# Altium PCB m2m v00.PcbDoc (part 2 of 2) (continued)
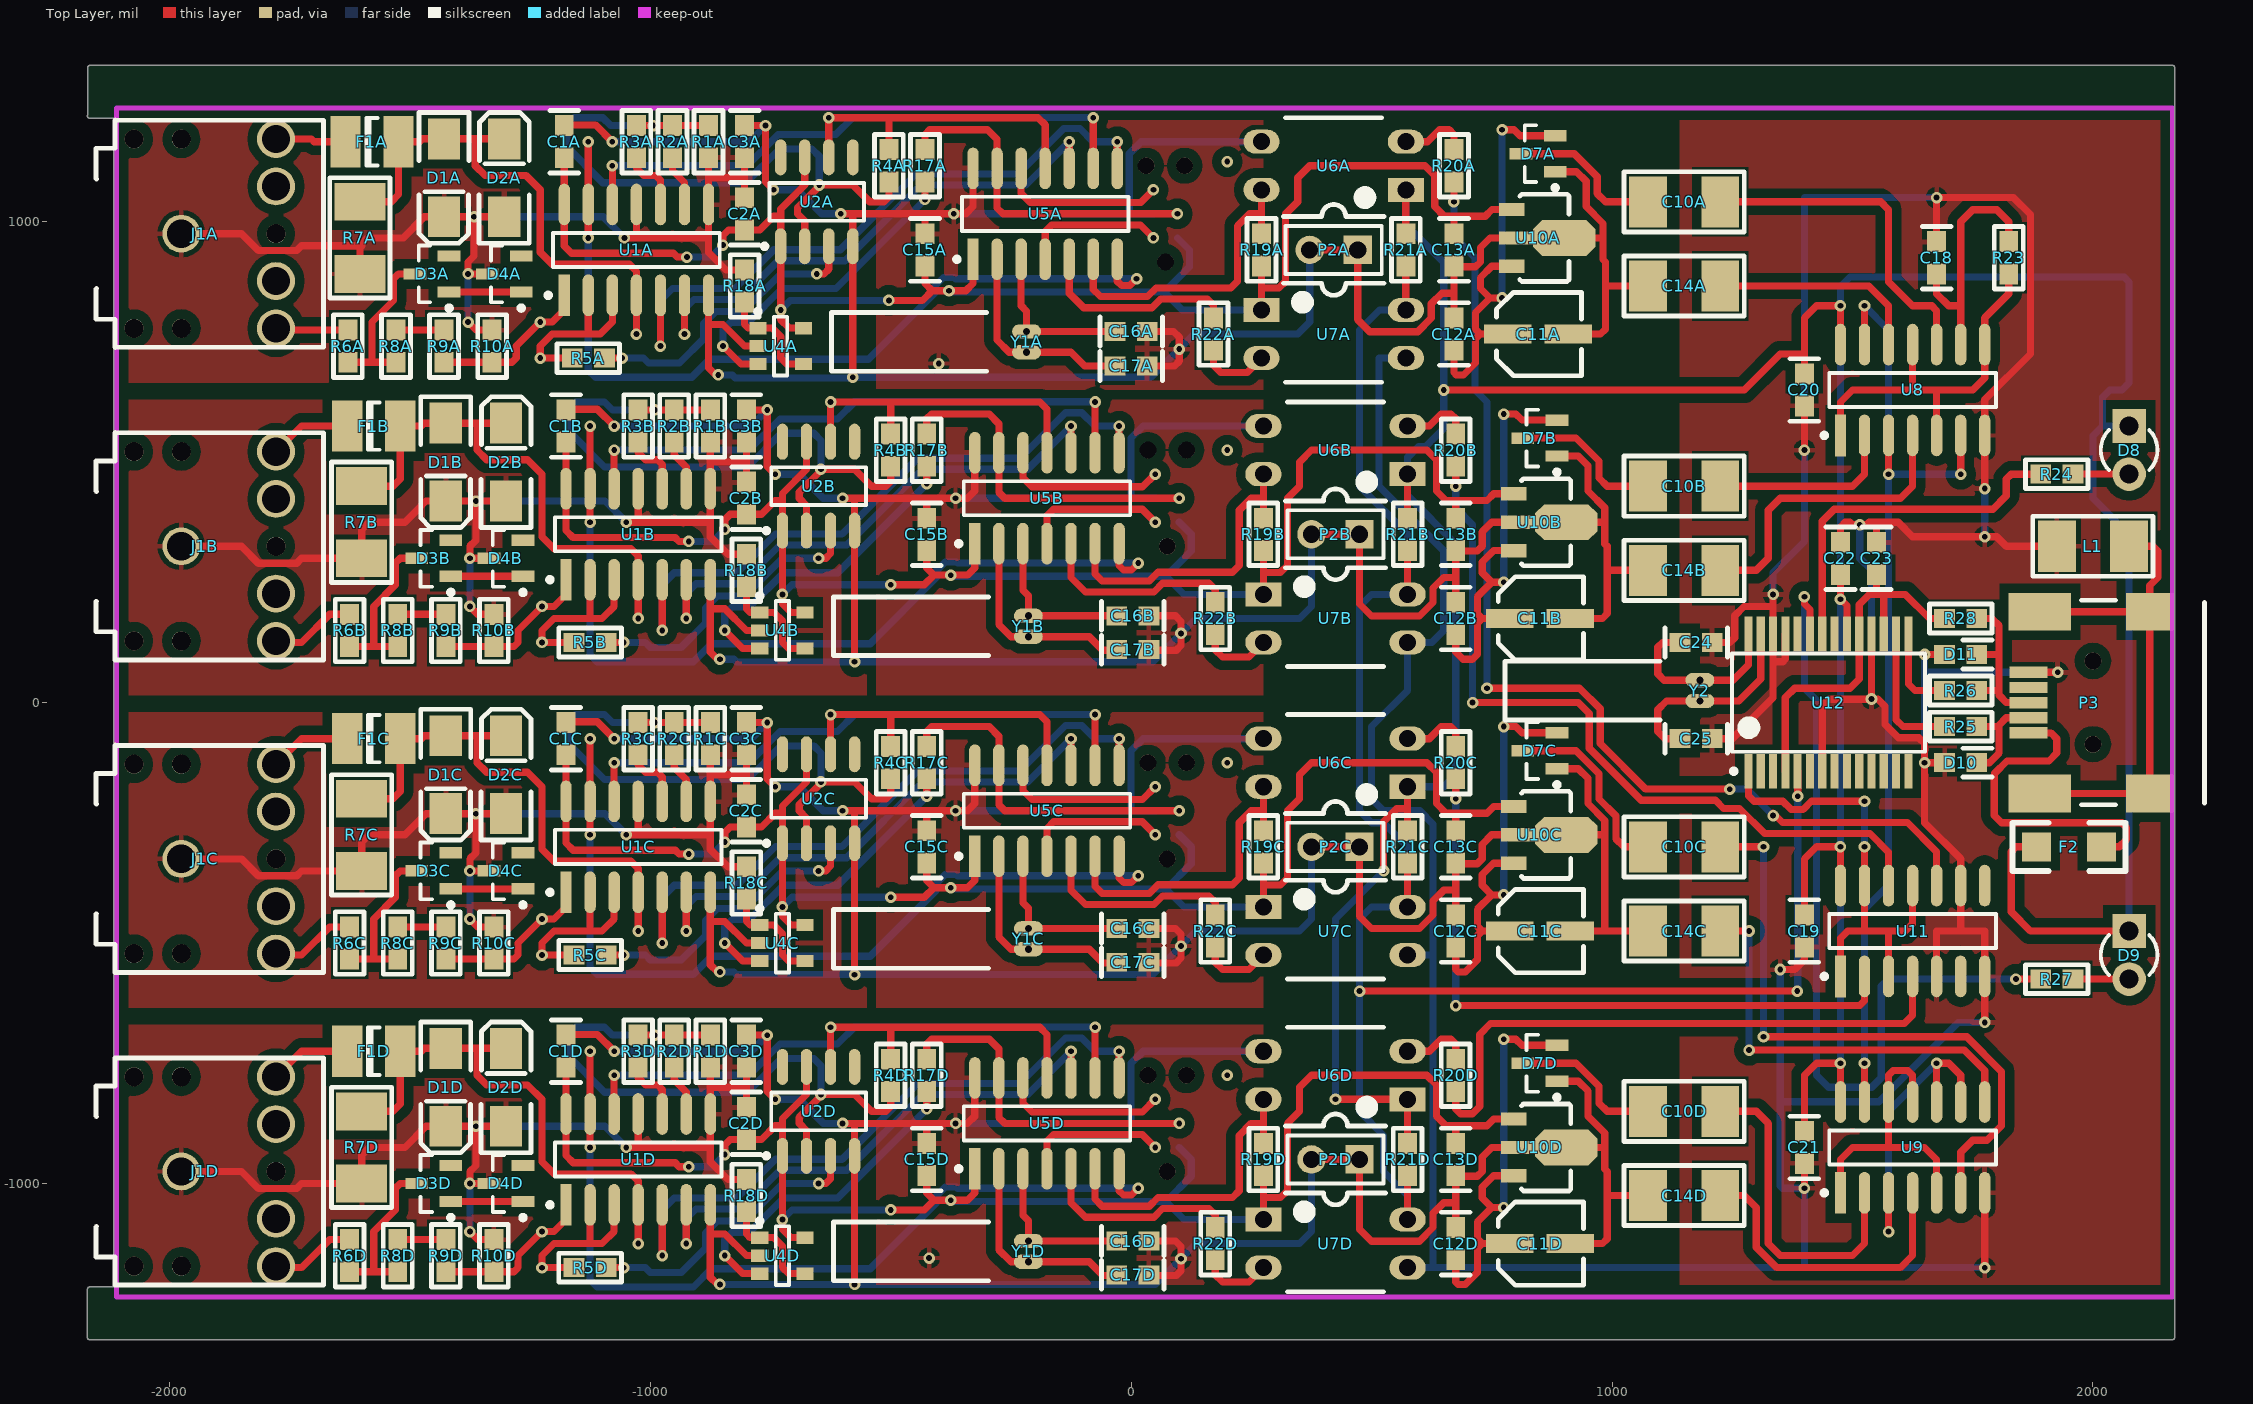
[diagram p0: Top Layer view]
## Nets (pads, with @x,y where several pads share a name; then routed paths per layer and width w, separated by ;. In a path a pad name is that pad's centre, name@x,y a point inside that pad or via, vN(x,y) a via of type N, cw(c..) or ccw(c..) an arc to the next point about the centre after c; other vN are vias at no path point) (continued)
  Bottom Layer w15: v1(1400,220) 1400,30 1425,5 1425,-775 1450,-800 1540,-800 1560,-780 1560,-590 1575,-575 v1(1840,-575)
USB+: D11.2 P3.3 R26.1 R28.2 | length 361.5
  Top Layer w15: R26.1@1758.46,25 1799.54,25 1805,19.54 ; D11.2@1758.46,100 1802.5,100 1805,102.5 ; R28.2@1758.46,175 1790,175 1805,160 1805,102.5 ; P3.3@1866.14,0 1820,0 1805,15 1805,19.54 ; 1805,19.54 1805,102.5
USB-: D10.2 P3.2 R25.1 | length 227.2
  Top Layer w15: D10.2@1758.46,-125 1785,-125 1805,-105 1805,-50 ; R25.1@1758.46,-50 1805,-50 ; P3.2@1866.14,-31.5 1820,-31.5 1805,-46.5 1805,-50
V2.048A: R17A.1 U4A.3 | length 690.9
  Top Layer w15: v1(-848.7,741.3) -811.3,703.9 U4A.3@-775.94,703.9 ; v1(-428.7,1046.3) R17A.1@-428.7,1082.84
  Bottom Layer w15: v1(-848.7,741.3) -848.7,775.06 -833.7,790.06 -797.41,790.06 -726.17,861.3 -613.7,861.3 v1(-428.7,1046.3)
V2.048B: R17B.1 U4B.3 | length 690.9
  Top Layer w15: v1(-845,150) -807.6,112.6 U4B.3@-772.24,112.6 ; v1(-425,455) R17B.1@-425,491.54
  Bottom Layer w15: v1(-845,150) -845,183.76 -830,198.76 -793.71,198.76 -722.47,270 -610,270 v1(-425,455)
V2.048C: R17C.1 U4C.3 | length 690.9
  Top Layer w15: v1(-845,-500) -807.6,-537.4 U4C.3@-772.24,-537.4 ; v1(-425,-195) R17C.1@-425,-158.46
  Bottom Layer w15: v1(-845,-500) -845,-466.24 -830,-451.24 -793.71,-451.24 -722.47,-380 -610,-380 v1(-425,-195)
V2.048D: R17D.1 U4D.3 | length 690.9
  Top Layer w15: v1(-845,-1150) -807.6,-1187.4 U4D.3@-772.24,-1187.4 ; v1(-425,-845) R17D.1@-425,-808.46
  Bottom Layer w15: v1(-845,-1150) -845,-1116.24 -830,-1101.24 -793.71,-1101.24 -722.47,-1030 -610,-1030 v1(-425,-845)
V_GND1: C2A.1 C3A.2 D1A.2 D2A.1 D4A.3 J1A.1 R1A.1 R7A.1 R10A.2 R18A.2 U1A.8 U1A.11 | length 2113.8
  Top Layer w15: J1A.1@-1975,975 -1850,975 -1814.81,939.81 -1735.19,939.81 -1725,950 -1603.7,950 ; R7A.1@-1603.7,891.3 -1603.7,950 ; -1600,950 -1603.7,950 ; v1(-1378.7,791.3) -1362.16,774.76 R10A.2@-1328.7,774.76 ; D4A.3@-1339.13,891.3 v1(-1378.7,891.3) -1378.7,916.3 -1366.2,928.8 v1(-1366.2,1010.3) ; D2A.1@-1303.7,1010.3 v1(-1366.2,1010.3) ; v1@-1048.7,966.3 -1028.7,966.3 ; U1A.11@-1028.7,1035.79 -1028.7,966.3 ; R1A.1@-878.7,1132.84 -878.7,1091.3 ; R18A.2@-803.7,899.76 -842.16,899.76 -878.7,936.3 -878.7,966.3 ; C2A.1@-803.7,1049.76 -803.7,1091.3 ; C3A.2@-803.7,1132.84 -803.7,1091.3 ; -1603.7,950 -1603.7,951.3 -1588.7,966.3 -1513.7,966.3 -1469.7,1010.3 v1(-1366.2,1010.3) ; -1028.7,966.3 -878.7,966.3 ; -878.7,966.3 U1A.8@-878.7,1035.79 -878.7,1091.3 ; -878.7,1091.3 -803.7,1091.3
  Bottom Layer w15: v1(-1378.7,791.3) v1(-1378.7,891.3) ; v1(-1366.2,1010.3) -1097.7,1010.3 v1(-1053.7,966.3)
V_GND2: C2B.1 C3B.2 D1B.2 D2B.1 D4B.3 J1B.1 R1B.1 R7B.1 R10B.2 R18B.2 U1B.8 U1B.11 | length 2113.8
  Top Layer w15: J1B.1@-1975,325 -1850,325 -1814.81,289.81 -1735.19,289.81 -1725,300 R7B.1@-1600,300 -1600,360 -1585,375 -1510,375 -1466,419 v1(-1362.5,419) ; v1(-1375,200) -1358.46,183.46 R10B.2@-1325,183.46 ; D4B.3@-1335.43,300 v1(-1375,300) -1375,325 -1362.5,337.5 v1(-1362.5,419) ; D2B.1@-1300,419 v1(-1362.5,419) ; v1@-1045,375 -1025,375 ; U1B.11@-1025,444.49 -1025,375 ; R1B.1@-875,541.54 -875,500 ; R18B.2@-800,308.46 -838.46,308.46 -875,345 -875,375 ; C2B.1@-800,458.46 -800,500 ; C3B.2@-800,541.54 -800,500 ; -1025,375 -875,375 ; -875,375 U1B.8@-875,444.49 -875,500 ; -875,500 -800,500
  Bottom Layer w15: v1(-1375,200) v1(-1375,300) ; v1(-1362.5,419) -1094,419 v1(-1050,375)
V_GND3: C2C.1 C3C.2 D1C.2 D2C.1 D4C.3 J1C.1 R1C.1 R7C.1 R10C.2 R18C.2 U1C.8 U1C.11 | length 2113.8
  Top Layer w15: J1C.1@-1975,-325 -1850,-325 -1814.81,-360.19 -1735.19,-360.19 -1725,-350 R7C.1@-1600,-350 -1600,-290 -1585,-275 -1510,-275 -1466,-231 v1(-1362.5,-231) ; v1(-1375,-450) -1358.46,-466.54 R10C.2@-1325,-466.54 ; D4C.3@-1335.43,-350 v1(-1375,-350) -1375,-325 -1362.5,-312.5 v1(-1362.5,-231) ; D2C.1@-1300,-231 v1(-1362.5,-231) ; v1@-1045,-275 -1025,-275 ; U1C.11@-1025,-205.51 -1025,-275 ; R1C.1@-875,-108.46 -875,-150 ; R18C.2@-800,-341.54 -838.46,-341.54 -875,-305 -875,-275 ; C2C.1@-800,-191.54 -800,-150 ; C3C.2@-800,-108.46 -800,-150 ; -1025,-275 -875,-275 ; -875,-275 U1C.8@-875,-205.51 -875,-150 ; -875,-150 -800,-150
  Bottom Layer w15: v1(-1375,-450) v1(-1375,-350) ; v1(-1362.5,-231) -1094,-231 v1(-1050,-275)
V_GND4: C2D.1 C3D.2 D1D.2 D2D.1 D4D.3 J1D.1 R1D.1 R7D.1 R10D.2 R18D.2 U1D.8 U1D.11 | length 2113.8
  Top Layer w15: J1D.1@-1975,-975 -1850,-975 -1814.81,-1010.19 -1735.19,-1010.19 -1725,-1000 R7D.1@-1600,-1000 -1600,-940 -1585,-925 -1510,-925 -1466,-881 D1D.2@-1425,-881 v1(-1362.5,-881) ; v1(-1375,-1100) -1358.46,-1116.54 R10D.2@-1325,-1116.54 ; D4D.3@-1335.43,-1000 v1(-1375,-1000) -1375,-975 -1362.5,-962.5 v1(-1362.5,-881) ; D2D.1@-1300,-881 v1(-1362.5,-881) ; v1@-1045,-925 -1025,-925 ; U1D.11@-1025,-855.51 -1025,-925 ; R1D.1@-875,-758.46 -875,-800 ; R18D.2@-800,-991.54 -838.46,-991.54 -875,-955 -875,-925 ; C2D.1@-800,-841.54 -800,-800 ; C3D.2@-800,-758.46 -800,-800 ; -1025,-925 -875,-925 ; -875,-925 U1D.8@-875,-855.51 -875,-800 ; -875,-800 -800,-800
  Bottom Layer w15: v1(-1375,-1100) v1(-1375,-1000) ; v1(-1362.5,-881) -1094,-881 v1(-1050,-925)
V_SELECT1: TP7A.1 U1A.13 U5A.7 | length 1806
  Top Layer w15: v1(-1128.7,966.3) U1A.13@-1128.7,1035.79 v1(-1128.7,1166.3) ; U5A.7@-28.7,916.3 -28.7,876.3 -19.57,867.17 -2.83,867.17 v1(11.3,881.3)
  Bottom Layer w15: v1(-1128.7,966.3) -1128.7,691.3 -1113.7,676.3 -913.7,676.3 -876.2,713.8 -546.2,713.8 -408.7,851.3 -408.7,865.19 -390.09,883.8 -367.31,883.8 -364.81,881.3 v1(11.3,881.3)
V_SELECT2: TP7B.1 U1B.13 U5B.7 | length 1806
  Top Layer w15: v1(-1125,375) U1B.13@-1125,444.49 v1(-1125,575) ; U5B.7@-25,325 -25,285 -15.87,275.87 0.87,275.87 v1(15,290)
  Bottom Layer w15: v1(-1125,375) -1125,100 -1110,85 -910,85 -872.5,122.5 -542.5,122.5 -405,260 -405,273.89 -386.39,292.5 -363.61,292.5 -361.11,290 v1(15,290)
V_SELECT3: TP7C.1 U1C.13 U5C.7 | length 1806
  Top Layer w15: v1(-1125,-275) U1C.13@-1125,-205.51 v1(-1125,-75) ; U5C.7@-25,-325 -25,-365 -15.87,-374.13 0.87,-374.13 v1(15,-360)
  Bottom Layer w15: v1(-1125,-275) -1125,-550 -1110,-565 -910,-565 -872.5,-527.5 -542.5,-527.5 -405,-390 -405,-376.11 -386.39,-357.5 -363.61,-357.5 -361.11,-360 v1(15,-360)
V_SELECT4: TP7D.1 U1D.13 U5D.7 | length 1806
  Top Layer w15: v1(-1125,-925) U1D.13@-1125,-855.51 v1(-1125,-725) ; U5D.7@-25,-975 -25,-1015 -15.87,-1024.13 0.87,-1024.13 v1(15,-1010)
  Bottom Layer w15: v1(-1125,-925) -1125,-1200 -1110,-1215 -910,-1215 -872.5,-1177.5 -542.5,-1177.5 -405,-1040 -405,-1026.11 -386.39,-1007.5 -363.61,-1007.5 -361.11,-1010 v1(15,-1010)
VCC: C19.2 C20.2 C21.2 C22.1 D8.1 D9.1 F2.2 R21A.1 R21B.1 R21C.1 R21D.1 U6A.1 U6B.1 U6C.1 U6D.1 U8.14 U9.14 U11.14 U12.20 | length 8547.4
  Top Layer w15: v1(425,-825) U6D.1@575,-825 R21D.1@575,-916.54 ; v1(525,-350) 525,-247.88 552.12,-220.77 575,-220.77 ; R21A.1@571.3,974.76 U6A.1@571.3,1066.3 ; R21C.1@575,-266.54 575,-220.77 ; U6C.1@575,-175 575,-220.77 ; R21B.1@575,383.46 U6B.1@575,475 ; v1(650,650) 1275,650 1350,725 1400,725 ; C21.2@1400,-891.54 1400,-775 1425,-750 v1(1475,-750) U9.14@1475,-830.51 ; C19.2@1400,-441.54 1400,-325 1425,-300 v1(1475,-300) U11.14@1475,-380.51 ; C20.2@1400,683.46 1400,725 ; C22.1@1475,266.54 v1(1475,215) 1488.38,201.62 U12.20@1488.38,142.72 ; U8.14@1475,744.49 v1(1475,825) 1425,825 1400,800 1400,725 ; F2.2@1882.5,-300 1840,-300 1830,-310 1830,-435 1869.94,-474.94 D9.1@2075.28,-474.94
  Bottom Layer w15: v1(425,-825) 425,-450 v1(525,-350) ; U6A.1@571.3,1066.3 571.3,993.7 650,915 v1(650,650) 650,570 612.5,532.5 597.5,532.5 575,510 U6B.1@575,475 575,430 675,330 675,-150 650,-175 U6C.1@575,-175 ; v1(1475,-750) v1(1475,-300) v1(1475,215) v1(1475,825) 1475,865 1495,885 2065,885 2075.28,874.72 2075.28,665 2060.28,650 2035,650 2020.06,635.06 2020.06,575.06 ; D9.1@2075.28,-474.94 2075.28,349.72 2000,425 2000,555 2020.06,575.06 ; D8.1@2075.28,575.06 2020.06,575.06
VNEG1: C1A.1 C3A.1 C11A.2 C12A.1 C13A.1 C14A.2 C15A.1 C16A.2 C17A.2 D7A.1 ICSP1A.3 P2A.1 P2A.2 U1A.7 U2A.4 U4A.2 U5A.14 U6A.3 U10A.2 | length 5772.3
  Top Layer w15: C1A.1@-1178.7,1199.76 -1177.16,1201.3 -1113.7,1201.3 v1(-1078.7,1166.3) ; U1A.7@-878.7,846.81 -878.7,786.3 ; v1(-858.7,681.3) -863.7,681.3 -878.7,696.3 -878.7,786.3 ; C3A.1@-803.7,1199.76 v1(-760.24,1199.76) -760.24,1082.84 v1(-743.7,1066.3) ; U4A.2@-775.94,741.3 -803.7,741.3 -848.7,786.3 -878.7,786.3 ; v1@-593.7,1016.3 -578.7,1016.3 ; v1(-578.7,676.3) U2A.4@-578.7,948.78 -578.7,1016.3 ; C15A.1@-428.7,974.76 -428.7,1016.3 ; U5A.14@-328.7,1110.79 -328.7,1031.3 -343.7,1016.3 v1(-368.7,1016.3) -428.7,1016.3 ; C17A.2@33.46,700 90,700 100,710 v1(100,735) 100,760 88.35,771.65 C16A.2@33.46,771.65 ; P2A.2@371.3,941.3 P2A.1@471.3,941.3 471.3,796.3 496.3,771.3 596.07,771.3 624.3,799.52 624.3,829.3 646.3,851.3 671.3,851.3 ; C12A.1@671.3,799.76 671.3,851.3 ; D7A.1@881.73,1103.9 926.3,1103.9 946.3,1083.9 946.3,1031.3 981.3,996.3 981.3,966.3 ; U10A.2@900.93,966.3 U10A.2@800.53,966.3 746.3,966.3 726.3,946.3 726.3,916.3 716.3,906.3 671.3,906.3 671.3,851.3 ; U10A.2@900.93,966.3 981.3,966.3 ; C11A.2@909.29,766.3 976.3,766.3 986.3,776.3 986.3,866.3 ; C14A.2@1046.29,866.29 986.31,866.29 ; -578.7,1016.3 -428.7,1016.3 ; 981.3,966.3 981.3,921.3 986.31,916.29 986.31,866.29
  Bottom Layer w15: v1(-1078.7,1166.3) -793.7,1166.3 v1(-760.24,1199.76) ; v1(-858.7,681.3) -829.42,681.3 -823.12,675 v1@-580,675 ; v1(-743.7,1066.3) -693.7,1066.3 -643.7,1016.3 v1(-603.7,1016.3) ; v1(-578.7,676.3) 41.3,676.3 v1(100,735) 131.3,766.3 346.3,766.3 371.3,791.3 P2A.2@371.3,941.3 ; v1(-368.7,1016.3) -5,1016.3 ; ICSP1A.3@46.3,1016.3 -5,1016.3 ; U6A.3@271.3,1166.3 21.3,1166.3 -3.7,1141.3 -3.7,1017.6 -5,1016.3
  other v1: -400,705
VNEG2: C1B.1 C3B.1 C11B.2 C12B.1 C13B.1 C14B.2 C15B.1 C16B.2 C17B.2 D7B.1 ICSP1B.3 P2B.1 P2B.2 U1B.7 U2B.4 U4B.2 U5B.14 U6B.3 U10B.2 | length 6082.1
  Top Layer w15: C1B.1@-1175,608.46 -1173.46,610 -1110,610 v1(-1075,575) ; U1B.7@-875,255.51 -875,195 ; v1(-855,90) -860,90 -875,105 -875,195 ; C3B.1@-800,608.46 v1(-756.54,608.46) -756.54,491.54 v1(-740,475) ; U4B.2@-772.24,150 -800,150 -845,195 -875,195 ; v1@-590,425 -575,425 ; v1(-575,85) U2B.4@-575,357.48 -575,425 ; C15B.1@-425,383.46 -425,425 ; U5B.14@-325,519.49 -325,440 -340,425 v1(-365,425) -425,425 ; C17B.2@37.16,108.7 93.7,108.7 103.7,118.7 v1(103.7,143.7) 103.7,168.7 92.05,180.35 C16B.2@37.16,180.35 ; P2B.2@375,350 P2B.1@475,350 475,205 500,180 599.78,180 628,208.22 628,238 650,260 675,260 ; C12B.1@675,208.46 675,260 ; D7B.1@885.43,512.6 930,512.6 950,492.6 950,440 985,405 985,375 ; U10B.2@904.63,375 U10B.2@804.23,375 750,375 730,355 730,325 720,315 675,315 675,260 ; U10B.2@904.63,375 985,375 ; C11B.2@912.99,175 980,175 990,185 990,275 ; C14B.2@1049.99,274.99 990.01,274.99 ; -575,425 -425,425 ; 985,375 985,330 990.01,324.99 990.01,274.99
  Bottom Layer w15: v1(-1075,575) -790,575 v1(-756.54,608.46) ; v1(-855,90) -825.72,90 -820,84.28 -265.72,84.28 ; v1(-740,475) -690,475 -640,425 v1(-600,425) ; v1(-575,85) 45,85 v1(103.7,143.7) 135,175 350,175 375,200 P2B.2@375,350 ; v1(-365,425) 0,425 ; ICSP1B.3@50,425 0,425 ; U6B.3@275,575 25,575 0,550 0,425
VNEG3: C1C.1 C3C.1 C11C.2 C12C.1 C13C.1 C14C.2 C15C.1 C16C.2 C17C.2 D7C.1 ICSP1C.3 P2C.1 P2C.2 U1C.7 U2C.4 U4C.2 U5C.14 U6C.3 U10C.2 | length 5802.6
  Top Layer w15: C1C.1@-1175,-41.54 -1173.46,-40 -1110,-40 v1(-1075,-75) ; U1C.7@-875,-394.49 -875,-455 ; v1(-855,-560) -860,-560 -875,-545 -875,-455 ; C3C.1@-800,-41.54 v1(-756.54,-41.54) -756.54,-158.46 v1(-740,-175) ; U4C.2@-772.24,-500 -800,-500 -845,-455 -875,-455 ; v1@-590,-225 -575,-225 ; v1(-575,-565.72) U2C.4@-575,-292.52 -575,-225 ; C15C.1@-425,-266.54 -425,-225 ; U5C.14@-325,-130.51 -325,-210 -340,-225 v1(-365,-225) -425,-225 ; C17C.2@37.16,-541.3 93.7,-541.3 103.7,-531.3 v1(103.7,-506.3) 103.7,-481.3 92.05,-469.65 C16C.2@37.16,-469.65 ; P2C.2@375,-300 P2C.1@475,-300 475,-445 500,-470 599.78,-470 628,-441.78 628,-412 650,-390 675,-390 ; C12C.1@675,-441.54 675,-390 ; D7C.1@885.43,-137.4 930,-137.4 950,-157.4 950,-210 985,-245 985,-275 ; U10C.2@904.63,-275 U10C.2@804.23,-275 750,-275 730,-295 730,-325 720,-335 675,-335 675,-390 ; U10C.2@904.63,-275 985,-275 ; C11C.2@912.99,-475 985,-475 ; C14C.2@1074.99,-475.01 1000,-475.01 985,-475 ; -575,-225 -425,-225 ; 985,-475 985,-275
  Bottom Layer w15: v1(-1075,-75) -790,-75 v1(-756.54,-41.54) ; v1(-855,-560) -825.72,-560 -820,-565.72 v1(-575,-565.72) 44.28,-565.72 v1(103.7,-506.3) 135,-475 350,-475 375,-450 P2C.2@375,-300 ; v1(-740,-175) -690,-175 -640,-225 v1(-600,-225) ; v1(-365,-225) 0,-225 ; ICSP1C.3@50,-225 0,-225 ; U6C.3@275,-75 25,-75 0,-100 0,-225
VNEG4: C1D.1 C3D.1 C11D.2 C12D.1 C13D.1 C14D.2 C15D.1 C16D.2 C17D.2 D7D.1 ICSP1D.3 P2D.1 P2D.2 U1D.7 U2D.4 U4D.2 U5D.14 U6D.3 U10D.2 | length 5763.3
  Top Layer w15: C1D.1@-1175,-691.54 -1173.46,-690 -1110,-690 v1(-1075,-725) ; U1D.7@-875,-1044.49 -875,-1105 ; v1(-855,-1210) -860,-1210 -875,-1195 -875,-1105 ; C3D.1@-800,-691.54 v1(-756.54,-691.54) -756.54,-808.46 v1(-740,-825) ; U4D.2@-772.24,-1150 -800,-1150 -845,-1105 -875,-1105 ; v1@-590,-875 -575,-875 ; v1(-575,-1210) U2D.4@-575,-942.52 -575,-875 ; C15D.1@-425,-916.54 -425,-875 ; U5D.14@-325,-780.51 -325,-860 -340,-875 v1(-365,-875) -425,-875 ; C17D.2@37.16,-1191.3 93.7,-1191.3 103.7,-1181.3 v1(103.7,-1156.3) 103.7,-1131.3 92.05,-1119.65 C16D.2@37.16,-1119.65 ; P2D.2@375,-950 P2D.1@475,-950 475,-1095 500,-1120 599.78,-1120 628,-1091.78 628,-1062 650,-1040 675,-1040 ; C12D.1@675,-1091.54 675,-1040 ; D7D.1@885.43,-787.4 930,-787.4 950,-807.4 950,-860 985,-895 985,-925 ; U10D.2@904.63,-925 U10D.2@804.23,-925 750,-925 730,-945 730,-975 720,-985 675,-985 675,-1040 ; U10D.2@904.63,-925 985,-925 ; C11D.2@912.99,-1125 980,-1125 990,-1115 990,-1025 ; C14D.2@1049.99,-1025.01 990.01,-1025.01 ; -575,-875 -425,-875 ; 985,-925 985,-970 990.01,-975.01 990.01,-1025.01
  Bottom Layer w15: v1(-1075,-725) -790,-725 v1(-756.54,-691.54) ; v1(-855,-1210) v1(-575,-1210) 50,-1210 v1(103.7,-1156.3) 135,-1125 350,-1125 375,-1100 P2D.2@375,-950 ; v1(-740,-825) -690,-825 -640,-875 v1(-600,-875) ; v1(-365,-875) 0,-875 ; ICSP1D.3@50,-875 0,-875 ; U6D.3@275,-725 25,-725 0,-750 0,-875
  other v1: -420,-1155
VOLTS_IN_1A: J1A.2 R6A.1 | length 192.4
  Top Layer w15: J1A.2@-1778.15,778.15 -1774.76,774.76 R6A.1@-1628.7,774.76 -1670.24,774.76
VOLTS_IN_1B: J1B.2 R6B.1 | length 178.7
  Top Layer w15: J1B.2@-1778.15,128.15 -1775,125 -1725,125 -1666.54,183.46 R6B.1@-1625,183.46
VOLTS_IN_1C: J1C.2 R6C.1 | length 178.7
  Top Layer w15: J1C.2@-1778.15,-521.85 -1775,-525 -1725,-525 -1666.54,-466.54 R6C.1@-1625,-466.54
VOLTS_IN_1D: J1D.2 R6D.1 | length 178.7
  Top Layer w15: J1D.2@-1778.15,-1171.85 -1775,-1175 -1725,-1175 -1666.54,-1116.54 R6D.1@-1625,-1116.54
VPOS1: C1A.2 C2A.2 C13A.2 C15A.2 ICSP1A.2 R19A.1 U1A.14 U2A.1 U2A.7 U4A.5 U5A.1 U7A.1 U10A.3 | length 3391.9
  Top Layer w15: C1A.2@-1178.7,1132.84 U1A.14@-1178.7,1035.79 -1178.7,949.3 -1163.7,934.3 -951.7,934.3 -943.7,926.3 v1(-923.7,926.3) ; v1(-848.7,951.3) -848.7,971.3 -837.16,982.84 -772.16,982.84 -743.7,1011.3 -728.7,1011.3 ; U4A.5@-681.46,778.7 -711.1,778.7 -728.7,796.3 v1(-728.7,816.3) U2A.1@-728.7,948.78 -728.7,1011.3 ; U2A.7@-678.7,1133.82 -678.7,1076.3 -728.7,1026.3 -728.7,1011.3 ; v1(-503.7,836.3) -433.7,836.3 -413.7,856.3 ; C15A.2@-428.7,907.84 -428.7,871.3 -413.7,856.3 ; U5A.1@-328.7,916.3 -328.7,871.3 -343.7,856.3 v1(-378.7,856.3) -413.7,856.3 ; U7A.1@271.3,816.3 271.3,862.07 ; R19A.1@271.3,907.84 271.3,862.07 ; C13A.2@671.3,974.76 671.3,1011.3 ; U10A.3@791.67,1025.36 750.36,1025.36 736.3,1011.3 671.3,1011.3 ; 271.3,862.07 307.07,862.07 321.3,876.3 321.3,1016.3 346.3,1041.3 346.3,1091.3 371.3,1116.3 611.3,1116.3 631.3,1096.3 631.3,1031.3 651.3,1011.3 671.3,1011.3
  Bottom Layer w15: v1(-923.7,926.3) -873.7,926.3 v1(-848.7,951.3) ; v1(-728.7,816.3) -708.7,836.3 v1(-503.7,836.3) ; v1(-378.7,856.3) -376.2,853.8 68.8,853.8 ; ICSP1A.2@96.3,966.3 121.3,941.3 121.3,906.3 68.8,853.8 ; U7A.1@271.3,816.3 106.3,816.3 68.8,853.8
VPOS2: C1B.2 C2B.2 C13B.2 C15B.2 ICSP1B.2 R19B.1 U1B.14 U2B.1 U2B.7 U4B.5 U5B.1 U7B.1 U10B.3 | length 3391.9
  Top Layer w15: C1B.2@-1175,541.54 U1B.14@-1175,444.49 -1175,358 -1160,343 -948,343 -940,335 v1(-920,335) ; v1(-845,360) -845,380 -833.46,391.54 -768.46,391.54 -740,420 -725,420 ; U4B.5@-677.76,187.4 -707.4,187.4 -725,205 v1(-725,225) U2B.1@-725,357.48 -725,420 ; U2B.7@-675,542.52 -675,485 -725,435 -725,420 ; v1(-500,245) -430,245 -410,265 ; C15B.2@-425,316.54 -425,280 -410,265 ; U5B.1@-325,325 -325,280 -340,265 v1(-375,265) -410,265 ; U7B.1@275,225 275,270.77 ; R19B.1@275,316.54 275,270.77 ; C13B.2@675,383.46 675,420 ; U10B.3@795.37,434.06 754.06,434.06 740,420 675,420 ; 275,270.77 310.77,270.77 325,285 325,425 350,450 350,500 375,525 615,525 635,505 635,440 655,420 675,420
  Bottom Layer w15: v1(-920,335) -870,335 v1(-845,360) ; v1(-725,225) -705,245 v1(-500,245) ; v1(-375,265) -372.5,262.5 72.5,262.5 ; ICSP1B.2@100,375 125,350 125,315 72.5,262.5 ; U7B.1@275,225 110,225 72.5,262.5
VPOS3: C1C.2 C2C.2 C13C.2 C15C.2 ICSP1C.2 R19C.1 U1C.14 U2C.1 U2C.7 U4C.5 U5C.1 U7C.1 U10C.3 | length 3391.9
  Top Layer w15: C1C.2@-1175,-108.46 U1C.14@-1175,-205.51 -1175,-292 -1160,-307 -948,-307 -940,-315 v1(-920,-315) ; v1(-845,-290) -845,-270 -833.46,-258.46 -768.46,-258.46 -740,-230 -725,-230 ; U4C.5@-677.76,-462.6 -707.4,-462.6 -725,-445 v1(-725,-425) U2C.1@-725,-292.52 -725,-230 ; U2C.7@-675,-107.48 -675,-165 -725,-215 -725,-230 ; v1(-500,-405) -430,-405 -410,-385 ; C15C.2@-425,-333.46 -425,-370 -410,-385 ; U5C.1@-325,-325 -325,-370 -340,-385 v1(-375,-385) -410,-385 ; U7C.1@275,-425 275,-379.23 ; R19C.1@275,-333.46 275,-379.23 ; C13C.2@675,-266.54 675,-230 ; U10C.3@795.37,-215.94 754.06,-215.94 740,-230 675,-230 ; 275,-379.23 310.77,-379.23 325,-365 325,-225 350,-200 350,-150 375,-125 615,-125 635,-145 635,-210 655,-230 675,-230
  Bottom Layer w15: v1(-920,-315) -870,-315 v1(-845,-290) ; v1(-725,-425) -705,-405 v1(-500,-405) ; v1(-375,-385) -372.5,-387.5 72.5,-387.5 ; ICSP1C.2@100,-275 125,-300 125,-335 72.5,-387.5 ; U7C.1@275,-425 110,-425 72.5,-387.5
VPOS4: C1D.2 C2D.2 C13D.2 C15D.2 ICSP1D.2 R19D.1 U1D.14 U2D.1 U2D.7 U4D.5 U5D.1 U7D.1 U10D.3 | length 3391.9
  Top Layer w15: C1D.2@-1175,-758.46 U1D.14@-1175,-855.51 -1175,-942 -1160,-957 -948,-957 -940,-965 v1(-920,-965) ; v1(-845,-940) -845,-920 -833.46,-908.46 C2D.2@-800,-908.46 -768.46,-908.46 -740,-880 -725,-880 ; U4D.5@-677.76,-1112.6 -707.4,-1112.6 -725,-1095 v1(-725,-1075) U2D.1@-725,-942.52 -725,-880 ; U2D.7@-675,-757.48 -675,-815 -725,-865 -725,-880 ; v1(-500,-1055) -430,-1055 -410,-1035 ; C15D.2@-425,-983.46 -425,-1020 -410,-1035 ; U5D.1@-325,-975 -325,-1020 -340,-1035 v1(-375,-1035) -410,-1035 ; U7D.1@275,-1075 275,-1029.23 ; R19D.1@275,-983.46 275,-1029.23 ; C13D.2@675,-916.54 675,-880 ; U10D.3@795.37,-865.94 754.06,-865.94 740,-880 675,-880 ; 275,-1029.23 310.77,-1029.23 325,-1015 325,-875 350,-850 350,-800 375,-775 615,-775 635,-795 635,-860 655,-880 675,-880
  Bottom Layer w15: v1(-920,-965) -870,-965 v1(-845,-940) ; v1(-725,-1075) -705,-1055 v1(-500,-1055) ; v1(-375,-1035) -372.5,-1037.5 72.5,-1037.5 ; ICSP1D.2@100,-925 125,-950 125,-985 72.5,-1037.5 ; U7D.1@275,-1075 110,-1075 72.5,-1037.5
VTAPA: R9A.2 R10A.1 TP8A.1 U1A.1 | length 340.1
  Top Layer w15: R9A.2@-1428.7,707.84 R10A.1@-1328.7,707.84 -1287.16,707.84 -1278.7,716.3 -1278.7,741.3 v1(-1228.7,791.3) -1203.7,791.3 -1178.7,816.3 U1A.1@-1178.7,846.81
VTAPB: R9B.2 R10B.1 TP8B.1 U1B.1 | length 340.1
  Top Layer w15: R9B.2@-1425,116.54 R10B.1@-1325,116.54 -1283.46,116.54 -1275,125 -1275,150 v1(-1225,200) -1200,200 -1175,225 U1B.1@-1175,255.51
VTAPC: R9C.2 R10C.1 TP8C.1 U1C.1 | length 340.1
  Top Layer w15: R9C.2@-1425,-533.46 R10C.1@-1325,-533.46 -1283.46,-533.46 -1275,-525 -1275,-500 v1(-1225,-450) -1200,-450 -1175,-425 U1C.1@-1175,-394.49
VTAPD: R9D.2 R10D.1 TP8D.1 U1D.1 | length 340.1
  Top Layer w15: R9D.2@-1425,-1183.46 R10D.1@-1325,-1183.46 -1283.46,-1183.46 -1275,-1175 -1275,-1150 v1(-1225,-1100) -1200,-1100 -1175,-1075 U1D.1@-1175,-1044.49
pads on no net: D3A.2 D3B.2 D3C.2 D3D.2 D4A.2 D4B.2 D4C.2 D4D.2 ICSP1A.6 ICSP1A.A ICSP1A.B ICSP1A.C ICSP1B.6 ICSP1B.A ICSP1B.B ICSP1B.C ICSP1C.6 ICSP1C.A ICSP1C.B ICSP1C.C ICSP1D.6 ICSP1D.A ICSP1D.B ICSP1D.C J1A.0 J1A.3 J1A.4 J1B.0 J1B.3 J1B.4 J1C.0 J1C.3 J1C.4 J1D.0 J1D.3 J1D.4 P3.4 P3.MT U2A.5 U2A.8 U2B.5 U2B.8 U2C.5 U2C.8 U2D.5 U2D.8 U11.6 U11.8 U12.2 U12.3 U12.6 U12.8 U12.9 U12.10 U12.11 U12.12 U12.13 U12.14 U12.21 U12.24
copper on no net:
  other v1: 200,-775 200,-125 200,525 200,1125

## Polygon pours and split planes (outlines as drawn)
VNEG1 on Bottom Layer "Bottom Layer-No Net" (solid, remove dead copper, pour order 30): -530,650 -530,1221.3 275,1221.3 275,650 -530,650
VNEG2 on Bottom Layer "Bottom Layer-No Net" (solid, remove dead copper, pour order 29): -530,15 -530,630 275,630 275,15 -530,15
VNEG3 on Bottom Layer "Bottom Layer-No Net" (solid, remove dead copper, pour order 28): -530,-635 -530,-20 275,-20 275,-635 -530,-635
VNEG4 on Bottom Layer "Bottom Layer-No Net" (solid, remove dead copper, pour order 27): -530,-1285 -530,-670 275,-670 275,-1285 -530,-1285
V_GND3 on Bottom Layer "Bottom Layer-No Net" (solid, remove dead copper, pour order 22): -2145,-20 -550,-20 -550,-635 -2145,-635 -2145,-20
V_GND2 on Bottom Layer "Bottom Layer-No Net" (solid, remove dead copper, pour order 21): -2145,630 -550,630 -550,15 -2145,15 -2145,630
V_GND1 on Bottom Layer "Bottom Layer-No Net" (solid, remove dead copper, pour order 20): -2145,1280 -550,1280 -550,665 -2145,665 -2145,1280
V_GND4 on Bottom Layer "Bottom Layer-No Net" (solid, remove dead copper, pour order 19): -2145,-670 -550,-670 -550,-1285 -2145,-1285 -2145,-670
GND on Bottom Layer "Bottom Layer-No Net" (solid, remove dead copper, pour order 35): 1141,1235 1141,-1236.22 2165.35,-1236.22 2165.35,1236.22 1141,1236.22
V_GND4 on Top Layer "Bottom Layer-No Net" (solid, remove dead copper, pour order 26): -2145,-670 -550,-670 -550,-1285 -2145,-1285 -2145,-670
V_GND1 on Top Layer "Bottom Layer-No Net" (solid, remove dead copper, pour order 25): -2145,1280 -550,1280 -550,665 -2145,665 -2145,1280
V_GND2 on Top Layer "Bottom Layer-No Net" (solid, remove dead copper, pour order 24): -2145,630 -550,630 -550,15 -2145,15 -2145,630
V_GND3 on Top Layer "Bottom Layer-No Net" (solid, remove dead copper, pour order 23): -2145,-20 -550,-20 -550,-635 -2145,-635 -2145,-20
VNEG4 on Top Layer "Bottom Layer-No Net" (solid, remove dead copper, pour order 34): -530,-1285 -530,-670 275,-670 275,-1285 -530,-1285
VNEG3 on Top Layer "Bottom Layer-No Net" (solid, remove dead copper, pour order 33): -530,-635 -530,-20 275,-20 275,-635 -530,-635
VNEG2 on Top Layer "Bottom Layer-No Net" (solid, remove dead copper, pour order 32): -530,15 -530,630 275,630 275,15 -530,15
VNEG1 on Top Layer "Bottom Layer-No Net" (solid, remove dead copper, pour order 31): -530,650 -530,1221.3 275,1221.3 275,650 -530,650
GND on Top Layer "Bottom Layer-No Net" (solid, remove dead copper, pour order 36): 1141,1235 1141,-1236.22 2165.35,-1236.22 2165.35,1236.22 1141,1236.22

## Keep-outs
Keep-Out Layer:
  lines w10: -2095,1236.22 -2110,1236.22 ; -2110,1236.22 2165.35,1236.22 2165.35,-1236.22 ; -2110,1236.22 -2110,-1236.22 -2108.78,-1236.22 2165.35,-1236.22 ; 2165.35,-1236.22 2165.35,-1236.22

## Silkscreen, mask and mechanical layers (free items; w line width, h text height)
Bottom Overlay:
  drawing of 39 lines, arcs and shapes, not listed
  text "NASCO MULTICHANNEL METER" at 959,1199 h100 r90
  text "V000  16122013" at 1065,1195 h100 r90
  text "http://ludzinc.blogspot.com.au" at 1972.68,1059.74 h180 r90
  text "⋮" at -412,984 h2000 r90
  text "NASCO" at 1494.79,178.67 h179.73 r90
Mechanical 1:
  lines w10: -2165.36,1220 -2165,1220 ; -2165,1220 -2165,1320 2165,1320 2165,-1320 -2165.36,-1320 -2165.36,-1220 -2110,-1220 -2110,1220 -2165,1220
Mechanical 2:
  lines w10: -2110,-215 -2110,1150 -2110,1220 -2165.36,1220 -2165.36,1318.9 ; -2110,215 -2110,-1150 -2110,-1220 -2165.36,-1220 ; -2165.36,-1318.9 -2165.36,-1220 ; -2165.36,-1318.9 2165.35,-1318.9 ; -2165.36,-1318.9 -2165.36,-1318.9 ; -2165.36,-1318.9 -2165.36,-1318.9 ; -2165.36,-1220 -2165.36,-1220 ; -2165.36,1318.9 -2165.36,1318.9 ; -2165.36,1318.9 2165.35,1318.9 2165.35,-1318.9 ; 2165.35,-1318.9 2165.35,-1318.9 ; 2165.35,-1318.9 2165.35,-1318.9 ; -3.7,1260.2 -3.7,1260.2